# Altium PCB Copy of ECU rev B pcb.PcbDoc (part 2 of 5) (continued)
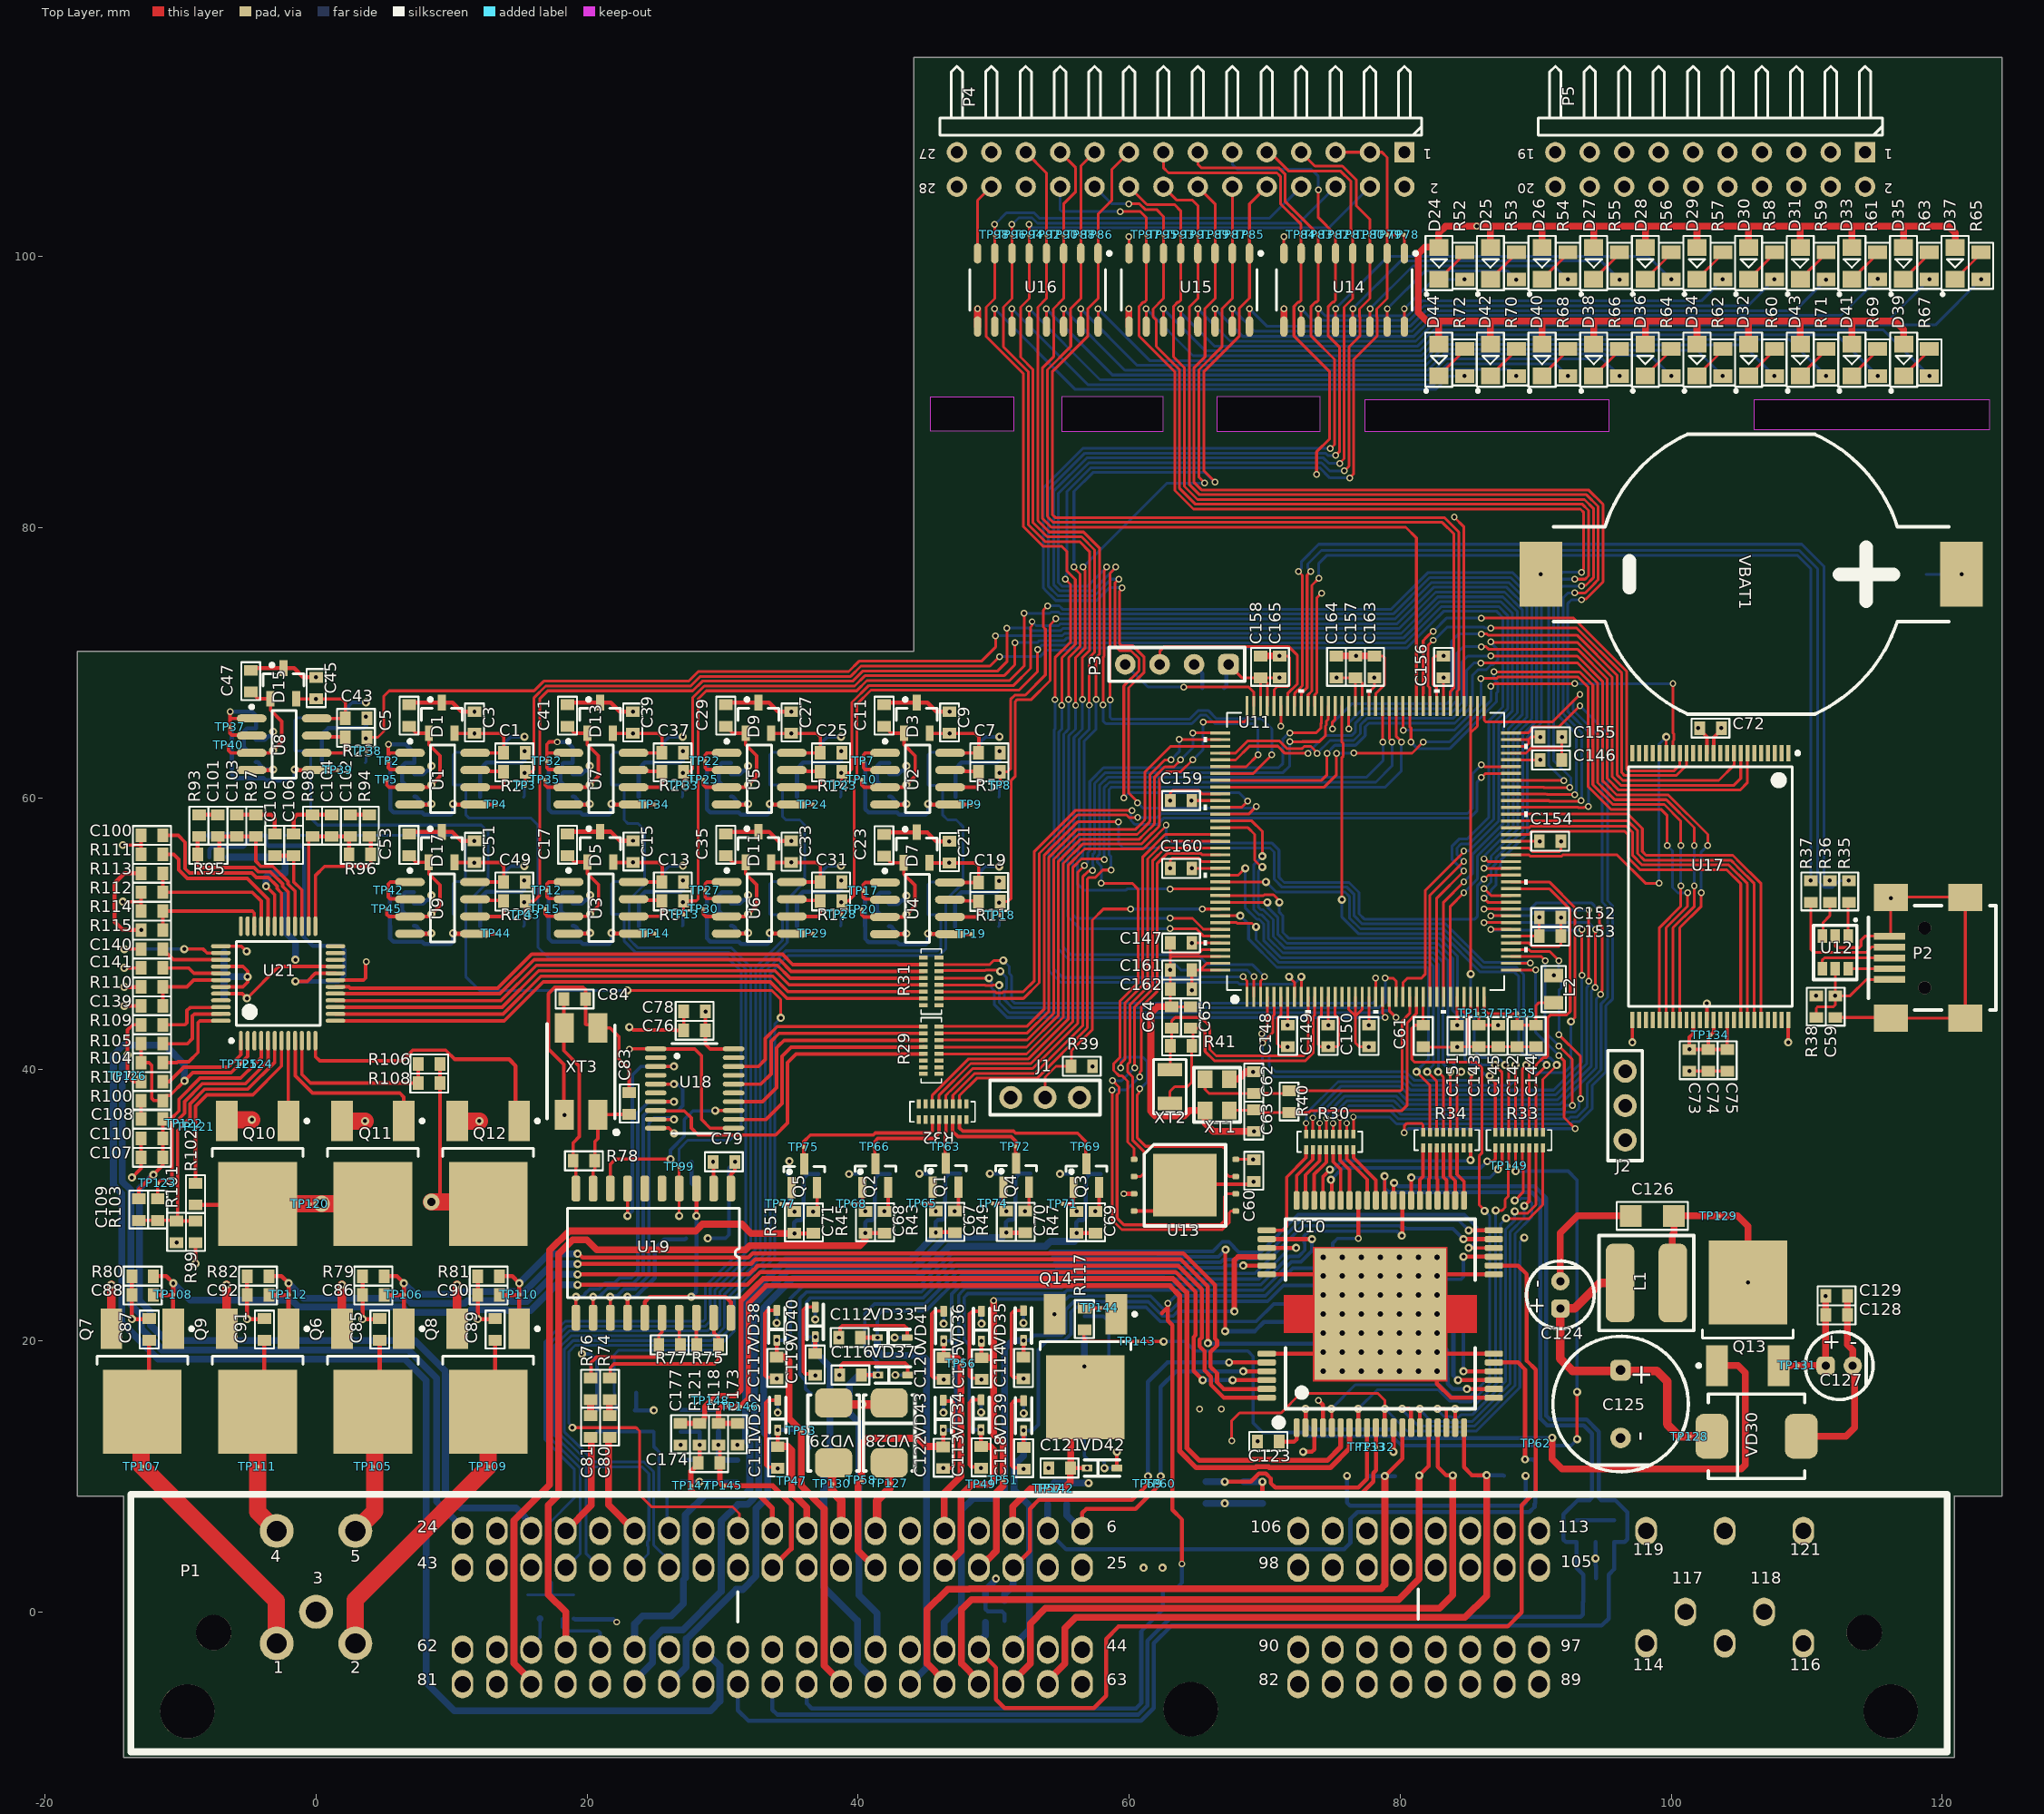
[diagram p0: Top Layer view]
## Footprints (in the part's own frame and the unit in brackets; to place one, negate y for a bottom-side part, rotate by r counter-clockwise, add the part's x,y. Pads: shape width x height; smd on the part's side, far side on the other; paste and mask are expansions set on the pad) (continued)
  silkscreen extent -471,-471 471,471, body extent -437,-437 437,437, height 63
"MINI USB B SMD" [mm]
  rect 0.5x2.3 smd: 1(-1.6,7.85) 2(-0.8,7.85) 3(0,7.85) 4(0.8,7.85) 5(1.6,7.85)
  rect 2x2.5 smd: 6(-4.45,7.75) 6(-4.45,2.25) 6(4.45,7.75) 6(4.45,2.25)
  round 0.95 hole 0.95: 7(-2.2,5.25) 7(2.2,5.25)
  silkscreen extent -3.85,0 3.85,9.4, body extent -4.95,0 4.95,9.2, height 4
SDR0604 [mm]
  rrect50% 2.1x5.8 smd: 1(-1.95,0) 2(1.95,0)
  silkscreen extent -3.5,-3.5 3.5,3.5, body extent -2.9,-2.9 2.9,2.9, height 4.8
"SMD 0603" [mm]
  rect 0.8x1 smd: 1(0,0) 2(1.6,0)
  silkscreen extent -0.6,-0.7 2.2,0.7, body extent -0.03,-0.45 1.63,0.45, height 0.46
"SMD 0805" [mm]
  rect 1x1.4 smd: 1(0,0) 2(2,0)
  silkscreen extent -0.7,-0.9 2.7,0.9, body extent -0.03,-0.65 2.02,0.65, height 0.41
"SMD 1206" [mm]
  rect 1.6x1.6 smd: 1(0,0) 2(3.2,0)
  silkscreen extent -1.02,-1.02 4.23,1.02, body extent -0.03,-0.79 3.4,0.8, height 0.5
SO8_N [mm] "SOIC, 8-Leads, Body 4.9x3.9mm, Pitch 1.27mm, IPC Medium Density"
  oval 2.2x0.6 smd: 1(-2.4,1.905) 2(-2.4,0.635) 3(-2.4,-0.635) 4(-2.4,-1.905) 5(2.4,-1.905) 6(2.4,-0.635) 7(2.4,0.635) 8(2.4,1.905)
  silkscreen extent -2.52,-2.5 0.9,2.88, body extent -1.95,-2.45 1.95,2.45, height 1.75
SOD123 [mm]
  rrect50% 0.91x1.22 smd: 0(-1.6,0) 1(1.6,0)
  silkscreen extent -2.41,-0.89 2.41,0.89, body extent -1.84,-0.8 1.84,0.8, height 1.17
SOD323 [mm] "JEDEC SOD-323"
  rrect25% 0.8x0.5 smd: 1(-1.1,0) 2(1.1,0)
  silkscreen extent -1.3,-0.6 1.3,0.6, body extent -1.3,-0.67 1.3,0.68, height 1.1
SOIC20 [mm]
  rrect50% 1.9x0.63 smd: 1(0,0) 2(0,-1.27) 3(0,-2.54) 4(0,-3.81) 5(0,-5.08) 6(0,-6.35) 7(0,-7.62) 8(0,-8.89) 9(0,-10.16) 10(0,-11.43) 11(9.53,-11.43) 12(9.53,-10.16) 13(9.53,-8.89) 14(9.53,-7.62) 15(9.53,-6.35) 16(9.53,-5.08) 17(9.53,-3.81) 18(9.53,-2.54) 19(9.53,-1.27) 20(9.53,0)
  silkscreen extent 1.47,-12.06 8.06,0.64, body extent -0.61,-12.2 10.02,0.8, height 2.66
SOIC127P600X175_HS-17M [mm] "SOIC, 16-Leads, Body 9,90x3,90mm, Pitch 1,27mm, Thermal Pad 9,00.2x1,80.2mm, IPC Low Density"
  oval 1.5x0.55 smd: 1(-2.7,4.445) 2(-2.7,3.175) 3(-2.7,1.905) 4(-2.7,0.635) 5(-2.7,-0.635) 6(-2.7,-1.905) 7(-2.7,-3.175) 8(-2.7,-4.445) 9(2.7,-4.445) 10(2.7,-3.175) 11(2.7,-1.905) 12(2.7,-0.635) 13(2.7,0.635) 14(2.7,1.905) 15(2.7,3.175) 16(2.7,4.445)
  silkscreen extent -2.82,-5 1.5,5.4, body extent -2,-5 2,5, height 1.75
SOT23 [mm] "SOT23, 3-Leads, Body 2,90x2,30mm, Pitch 0,95mm, IPC Medium Density"
  rect 1.55x0.6 smd: 1(-0.875,0.95) 2(-0.875,-0.95) 3(0.875,0)
  silkscreen extent 0.18,-1.5 0.7,1.5, body extent -1.4,-1.45 1.4,1.45, height 1.3
SOT23-6 [mm]
  rect 0.7x1 smd: 1(0.95,1.2) 2(0,1.2) 3(-0.95,1.2) 4(-0.95,-1.2) 5(0,-1.2) 6(0.95,-1.2)
  silkscreen extent -1.6,-2 1.6,2.49, body extent -1.5,-1.5 1.5,1.5, height 1.1
SOT23_N [mm] "SOT23, 3-Leads, Body 2.9x1.3mm, Pitch 0.95mm, Lead Span 2.3mm - Reverse Pinning, IPC Medium Density"
  rect 1.15x0.6 smd: 1(1.125,0) 2(-1.125,-0.95) 3(-1.125,0.95)
  silkscreen extent -0.2,-1.5 1.47,1.5, body extent -0.7,-1.5 0.7,1.5, height 1.1
TESTPOINT [mm] "testpoint"
  round 0.3 smd paste+0 mask+0: 0(0,0)
TSSOP20 [mm] "TSsOP, 20-Leads, Body 6,50x4,40mm, Pitch 0,65mm,  IPC Medium Density"
  oval 1.6x0.35 smd: 1(-2.875,2.925) 2(-2.875,2.275) 3(-2.875,1.625) 4(-2.875,0.975) 5(-2.875,0.325) 6(-2.875,-0.325) 7(-2.875,-0.975) 8(-2.875,-1.625) 9(-2.875,-2.275) 10(-2.875,-2.925) 11(2.875,-2.925) 12(2.875,-2.275) 13(2.875,-1.625) 14(2.875,-0.975) 15(2.875,-0.325) 16(2.875,0.325) 17(2.875,0.975) 18(2.875,1.625) 19(2.875,2.275) 20(2.875,2.925)
  silkscreen extent -1.68,-3.3 1.68,3.3, body extent -3.3,-3.3 3.3,3.3, height 1.2
TSSOP50P2000X120-48N [mm] "TSSOP, 48-Leads, Body 12,00x18,40mm, Pitch 0,50mm, IPC Medium Density"
  rect 1.2x0.3 smd: 1(-9.85,5.75) 2(-9.85,5.25) 3(-9.85,4.75) 4(-9.85,4.25) 5(-9.85,3.75) 6(-9.85,3.25) 7(-9.85,2.75) 8(-9.85,2.25) 9(-9.85,1.75) 10(-9.85,1.25) 11(-9.85,0.75) 12(-9.85,0.25) 13(-9.85,-0.25) 14(-9.85,-0.75) 15(-9.85,-1.25) 16(-9.85,-1.75) 17(-9.85,-2.25) 18(-9.85,-2.75) 19(-9.85,-3.25) 20(-9.85,-3.75) 21(-9.85,-4.25) 22(-9.85,-4.75) 23(-9.85,-5.25) 24(-9.85,-5.75) 25(9.85,-5.75) 26(9.85,-5.25) 27(9.85,-4.75) 28(9.85,-4.25) 29(9.85,-3.75) 30(9.85,-3.25) 31(9.85,-2.75) 32(9.85,-2.25) 33(9.85,-1.75) 34(9.85,-1.25) 35(9.85,-0.75) 36(9.85,-0.25) 37(9.85,0.25) 38(9.85,0.75) 39(9.85,1.25) 40(9.85,1.75) 41(9.85,2.25) 42(9.85,2.75) 43(9.85,3.25) 44(9.85,3.75) 45(9.85,4.25) 46(9.85,4.75) 47(9.85,5.25) 48(9.85,5.75)
  silkscreen extent -9.97,-6.05 8.85,6.58, body extent -10.1,-6.05 10.1,6.05, height 1.2
"WSON 8L" [mm] "8x6x0.8mm pitch 1.27mm"
  rrect50% 0.5x0.4 smd: 1(-3.75,1.905) 2(-3.75,0.635) 3(-3.75,-0.635) 4(-3.75,-1.905) 5(3.75,-1.905) 6(3.75,-0.635) 7(3.75,0.635) 8(3.75,1.905)
  rect 4.7x4.6 smd: 9(0,0)
  silkscreen extent -3,-3 3,3, body extent -4,-3 4,3, height 0.81
YC164 [mm]
  rect 0.61x0.9 smd: 1(-1.24,-0.885) 4(1.24,-0.885) 5(1.24,0.885) 8(-1.24,0.885)
  rect 0.53x0.9 smd: 2(-0.4,-0.885) 3(0.4,-0.885) 6(0.4,0.885) 7(-0.4,0.885)
  silkscreen extent -2.03,-1.02 2.03,1.02, body extent -1.6,-0.8 1.6,0.8, height 0.55
YC248 [mm] "ARRAY CHIP RESISTORS"
  rect 0.3x0.65 smd paste+0 mask+0.08: 1(-1.75,-0.575) 2(-1.25,-0.575) 3(-0.75,-0.575) 4(-0.25,-0.575) 5(0.25,-0.575) 6(0.75,-0.575) 7(1.25,-0.575) 8(1.75,-0.575) 9(1.75,0.575) 10(1.25,0.575) 11(0.75,0.575) 12(0.25,0.575) 13(-0.25,0.575) 14(-0.75,0.575) 15(-1.25,0.575) 16(-1.75,0.575)
  silkscreen extent -2.4,-0.75 2.4,0.75, body extent -2,-0.8 2,0.8, height 0.45

## Part data
C1 C3 C7 C9 C13 C15 C19 C21 C25 C27 C31 C33 C37 C39 C43 C45 C49 C51 C72 C73 C74 C75 C76 C77 C123 C128 C135 C136 C137 C138 C144 C145 C148 C149 C150 C151 C152 C153 C154 C155 C156 C157 C158 C159 C160 C161 C163 C164 C170: library part Capasitor, "CC0603KRX7R9BB104"
C2 C4 C5 C6 C8 C10 C11 C12 C14 C16 C17 C18 C20 C22 C23 C24 C26 C28 C29 C30 C32 C34 C35 C36 C38 C40 C41 C42 C44 C46 C47 C48 C50 C52 C53 C54 C55 C56 C57 C58 C67 C68 C69 C70 C71 C85 C87 C89 C91 C94 C97 C99 C110 C111 C112 C113 C114 C115 C116 C117 C118 C119 C120 C121 C122 C166 C167 C168 C169: library part Capasitor, "CC0603KRX7R9BB102"
C59 C60 C61 C62 C63 C64 C65 C66 C101 C102 C103 C104 C105 C106: library part Capasitor
C78 C108 C109 C129 C132 C133 C134 C141 C142 C143: library part Capasitor, "CL10A105KB8NNNC"
C79 C100 C162 C165: library part Capasitor, "CC0603KRX5R6BB475"
C80 C81: library part Capasitor, "CC0603KRX7R9BB332"
C82: library part Capasitor, "CC0603KRX7R9BB223"
C83 C84: library part Capasitor, "CC0603JRNPO9BN220"
C86 C88 C90 C92: library part Capasitor, "CC0603KRX7R9BB152"
C93 C171 C175: library part Capasitor, "CC0603KRX7R9BB472"
C95 C139: library part Capasitor, "CC0603KRX7R0BB103"
C96 C98: library part Capasitor, "CC0603JRX7R7BB333"
C107: library part Capasitor, "CC0603KRX7R9BB222"
C124 C127: library part "Capasitor polar", "SH100M0010BZF-0611"
C125: library part "Capasitor polar", "SK100M0100B5S-1019"
C126: library part Capasitor, "GRM31CR72A225KA73L"
C130 C131: library part Capasitor, "CC0603JRX7R9BB103"
C140: library part Capasitor, "CC0603KRX7R7BB474"
C146 C147: library part Capasitor, "CC0603KRX5R6BB225"
C172 C176: library part Capasitor, "CC0603KRX7R9BB101"
C173 C174 C177: library part Capasitor, "CC0603KRX7R9BB471"
D1 D3 D5 D7 D9 D11 D13 D15 D17: "Schottky Barrier Double Diode", ComponentLink1Description="Manufacturer Link", ComponentLink1URL=http://www.semiconductors.philips.com/, ComponentLink2Description=Datasheet, ComponentLink2URL=http://www.semiconductors.philips.com/acrobat/datasheets/BAS70_SERIES_6.pdf, DatasheetVersion=11-Oct-2001, LatestRevisionDate=12-Dec-2006, LatestRevisionNote="IPC-7351 Footprint Added.", PackageDescription="3-Pin SOT-23 Package 0.95 mm Pitch, 2.3 mm Lead Span", PackageReference=SOT23, PackageVersion=May-1999, Published=17-Sep-2003, Publisher="Altium Limited"
D2 D4 D6 D8 D10 D12 D14 D16 D18: library part Zener, "MMSZ2V7T1G"
D19 D20 D21 D22 D23: library part Zener, "BZX384-C4V7.115"
D24 D25 D26 D27 D28 D29 D30 D31 D32 D33 D34 D35 D36 D37 D38 D39 D40 D41 D42 D43 D44: "LTST-C171GKT"
L1: library part Inductor, "SDR0604-3R3ML"
L2: library part Inductor, "BK2125HM601-T"
P1: library part 1241434-1
P3: library part JTAG-STM-SW
P4: "Header, 14-Pin, Dual row, Right Angle", LatestRevisionDate=17-Jul-2002, LatestRevisionNote="Re-released for DXP Platform.", Publisher="Altium Limited"
P5: "Header, 10-Pin, Dual row, Right Angle", LatestRevisionDate=17-Jul-2002, LatestRevisionNote="Re-released for DXP Platform.", Publisher="Altium Limited"
Q1 Q2 Q3 Q4 Q5: library part PDTC143ZT, "NPN", R1=4.7K, R2=47K
Q6 Q7 Q8 Q9: "IGBT Automotive-grade 390 V internally clamped  ESCIS 180 mJ", ComponentLink1Description=Datasheet, ComponentLink1URL=https://my.st.com/resource/en/datasheet/stgd18n40lz.pdf
Q10 Q11 Q12 Q13 Q14: "HEXFET Power MOSFET", ComponentLink1Description=datasheet, ComponentLink1URL=https://data.electronshik.ru/z/Datasheet/I/IRFR1018EPBF.pdf
R1 R4 R7 R10 R13 R16 R19 R22 R25 R38 R39 R43 R45 R47 R49 R51 R73 R100 R102 R116: library part Resistor, "RC0603FR-0710KL"
R2 R5 R8 R11 R14 R17 R20 R23 R26: library part Resistor, "RC0603FR-07100RL"
R3 R6 R9 R12 R15 R18 R21 R24 R27 R28: library part YC164, "YC164-JR-0747KL"
R29 R30 R31 R32 R33 R34: library part YC248, "YC248-JR-0733RL"
R35 R36 R37: library part Resistor, "RC0603FR-0727RL"
R40 R41 R78: library part Resistor, "RC0603FR-071ML"
R52 R53 R54 R55 R56 R57 R58 R59 R60 R61 R62 R63 R64 R65 R66 R67 R68 R69 R70 R71 R72: library part Resistor, "RC0805FR-071KL"
R74 R75 R76 R77 R119 R120: library part Resistor, "RT0603BRD0733KL"
R79 R80 R81 R82: library part Resistor, "RC0603FR-074K7L"
R83 R84: library part Resistor, "RC0603FR-0760R4L"
R85: library part Resistor, "RT0603BRD07100KL"
R86: library part Resistor, "RC0603FR-077K5L"
R87 R90: library part Resistor, "RC0603FR-07511KL"
R88 R91: library part Resistor, "RT0603BRD0710KL"
R89 R92: library part Resistor, "RC0603FR-0751KL"
R93 R94 R95 R96 R97 R98 R104 R105 R107 R109 R112 R113 R114 R115: library part Resistor
R99: library part Resistor, "RC0603FR-0711KL"
R101: library part Resistor, "RC0603FR-0745K3L"
R103: library part Resistor, "RC0603FR-07442RL"
R106 R108: library part Resistor, "RC0603FR-074K02L"
R110 R117: library part Resistor, "RC0603FR-071KL"
R111: library part Resistor, "RC0603FR-0712K1L"
R118 R121: library part Resistor, "RT0603FRE0710KL"
TP1 TP2 TP3 TP4 TP5 TP6 TP7 TP8 TP9 TP10 TP11 TP12 TP13 TP14 TP15 TP16 TP17 TP18 TP19 TP20 TP21 TP22 TP23 TP24 TP25 TP26 TP27 TP28 TP29 TP30 TP31 TP32 TP33 TP34 TP35 TP36 TP37 TP38 TP39 TP40 TP41 TP42 TP43 TP44 TP45 TP46 TP47 TP48 TP49 TP50 TP51 TP52 TP53 TP54 TP55 TP56 TP57 TP58 TP59 TP60 TP61 TP62 TP63 TP64 TP65 TP66 TP67 TP68 TP69 TP70 TP71 TP72 TP73 TP74 TP75 TP76 TP77 TP78 TP79 TP80 TP81 TP82 TP83 TP84 TP85 TP86 TP87 TP88 TP89 TP90 TP91 TP92 TP93 TP94 TP95 TP96 TP97 TP98 TP99 TP100 TP101 TP102 TP103 TP104 TP105 TP106 TP107 TP108 TP109 TP110 TP111 TP112 TP113 TP114 TP115 TP116 TP117 TP118 TP119 TP120 TP121 TP122 TP123 TP124 TP125 TP126 TP127 TP128 TP129 TP130 TP131 TP132 TP133 TP134 TP135 TP136 TP137 TP138 TP139 TP140 TP141 TP142 TP143 TP144 TP145 TP146 TP147 TP148 TP149: "testPoint"
U1 U2 U3 U4 U5 U6 U7 U8 U9: "Rail-to-Rail CMOS Dual Operational Amplifier", Code_IPC=SOIC127P600-8, Code_JEDEC=MS-012-AA, ComponentLink1Description="Manufacturer Link", ComponentLink1URL=http://www.st.com/, ComponentLink2Description=Datasheet, ComponentLink2URL=http://www.st.com/stonline/products/literature/ds/2325/ts912.pdf, DatasheetVersion=Apr-1999, LatestRevisionDate=13-Apr-2006, LatestRevisionNote="IPC-7351 Footprint Added.", PackageDescription="8-Pin Small Outline Integrated Circuit 1.27 mm Pitch", PackageReference=SO8, PackageVersion=Dec-2002, Published=24-Aug-2001, Publisher="Altium Limited"
U10: "Multifunction IC for engine management system"
U11: "No Description Available", Built_By=EMA_UL_Team, Copyright="Copyright (C) 2018 Accelerated Designs. All rights reserved", Manufacturer_Part_Number=STM32H745ZGT6, RefDes=RefDes, SourceLibrary=Updates_to_database_2020-10-19, Type=DEV, Vendor=STMicroelectronics
U13: "MX25L25635FZ2I-10G"
U14 U15 U16: library part ULN2003AIDR
U17: "1G/2G/4G-bit NAND Flash Memory  (ECC-Free)", ComponentLink1Description=Datasheet, ComponentLink1URL=https://www.mxic.com.tw/Lists/Datasheet/Attachments/6854/MX30LF4GE8AB,%203V,%204Gb,%20v1.3.pdf
U18: "8-bit dual supply 1.71 to 5.5 V level translator with I/O VCC ± 15 KV / ESD protection"
U19: "Engine Knock Signal Processor"
U20: library part ESDCANxx-2BLY
U21: "Wide range air fuel sensor control interface"
VBAT1: "Battery Holders, Battery Compatibility CR2032, Board-to-Board, 2 Position, Horizontal PCB Mount Orientation"
VD1 VD2 VD3 VD4 VD5 VD6 VD7 VD8 VD9 VD11 VD12 VD13 VD14 VD15 VD16 VD17 VD18 VD19 VD20 VD21 VD22 VD23 VD24 VD25 VD26 VD27: "PMEG2020EJ.115"
VD10: "STTH2R02A"
VD28: "STTH4R02U"
VD29 VD31: "STTH4R02U 200 V, 4 A High Effiency Ultrafast Diode", ComponentLink1Description=Datashit, ComponentLink1URL=https://www.st.com/resource/en/datasheet/stth4r02.pdf
VD30: "5.0SMDJ30CA"
VD32 VD33 VD34 VD35 VD36 VD37 VD38 VD39 VD40 VD41 VD42 VD43: "CDSOD323-T18LC"
XT1 XT2: library part xtall
XT3: library part xtall, "KX-13 6.0 MHz / Geyer"

## Via types
v1: diameter 0.6, hole 0.3, Top Layer to Bottom Layer, tented both sides, 321 vias
v2: diameter 0.5, hole 0.3, Top Layer to Bottom Layer, tented both sides, 275 vias
v3: diameter 0.6, hole 0.4, Top Layer to Bottom Layer, 49 vias
v4: diameter 0.45, hole 0.3, Top Layer to Bottom Layer, tented both sides, 8 vias
v5: diameter 1.2, hole 0.6, Top Layer to Bottom Layer, tented both sides, 2 vias
v6: diameter 0.6, hole 0.3, Top Layer to Bottom Layer, 1 vias

## Nets (pads, with @x,y where several pads share a name; then routed paths per layer and width w, separated by ;. In a path a pad name is that pad's centre, name@x,y a point inside that pad or via, vN(x,y) a via of type N, cw(c..) or ccw(c..) an arc to the next point about the centre after c; other vN are vias at no path point)
3V3: C60.1 C66.2 C72.2 C73.2 C74.2 C75.2 C77.1 C134.2 C135.2 C148.2 C149.2 C150.2 C151.2 C152.2 C153.2 C154.2 C155.2 C156.2 C157.2 C158.2 C159.2 C160.2 C161.2 C162.2 C164.2 C165.2 J1.3 J2.1 L2.2 P3.1 P4.1 P4.2 P5.17 P5.18 TP134.0 U10.4 U11.7 U11.13 U11.19 U11.32 U11.42 U11.56 U11.70 U11.71 U11.79 U11.91 U11.92 U11.105 U11.106 U11.119 U11.129 U11.143 U11.144 U13.3 U13.8 U17.12 U17.34 U17.37 U17.39 U18.1 U18.11 U21.19 | length 322.2
  Top Layer w0.203: C162.2@64.63,45.946 C161.2@64.63,47.346 65.23,47.346 ; v2(64.63,54.846) U11.129@66.73,54.846 ; C159.2@64.63,59.846 U11.119@66.73,59.846 ; U11.144@66.73,47.346 65.23,47.346 ; U11.143@66.73,47.846 65.73,47.846 65.23,47.346 ; P3.1@67.333,69.896 68.315,68.914 C158.2@69.699,68.914 69.699,66.847 69.7,66.846 69.699,66.845 U11.106@69.699,66.814 ; U13.8@67.864,33.377 69.164,33.377 C60.1@69.195,33.345 ; U11.105@70.199,66.814 70.199,68.514 69.799,68.914 v2(71.099,68.914) ; v2(71.699,43.277) U11.7@71.699,45.377 ; U10.4@74.309,13.589 74.309,13.919 U10.4@74.341,13.951 ; v2(74.699,43.277) U11.13@74.699,45.377 ; v2(75.299,68.914) C157.2@76.699,68.914 ; U11.92@76.699,66.814 76.699,66.845 76.7,66.846 76.699,66.847 C157.2@76.699,68.914 ; U11.91@77.199,66.814 77.199,68.514 76.799,68.914 C157.2@76.699,68.914 ; v2(77.699,43.277) U11.19@77.699,45.377 ; U11.79@83.199,66.814 v2(83.199,68.914) ; v2(84.199,43.277) U11.32@84.199,45.377 ; U11.42@88.168,49.846 C153.2@90.268,49.846 C152.2@90.268,51.214 ; U11.56@88.168,56.846 C154.2@90.268,56.846 ; U11.70@88.168,63.846 89.268,63.846 89.468,64.046 89.468,64.346 ; U11.71@88.168,64.346 89.468,64.346 ; v2(90.33,64.546) 89.668,64.546 89.468,64.346
  Top Layer w0.254: U21.19@1.431,46.605 3.506,46.605 3.655,46.754 v2@3.655,47.956 ; v2@23.114,41.529 23.118,41.533 U18.1@25.065,41.533 25.069,41.529 27.94,41.529 28.448,41.021 28.448,36.322 29.087,35.683 U18.11@30.815,35.683 ; U17.34@101.631,43.652 101.631,42.679 101.337,42.385 v1(101.337,41.492) C74.2@102.734,41.492 ; U17.37@103.131,43.652 103.131,42.782 102.734,42.385 C74.2@102.734,41.492 ; U17.12@103.131,63.352 103.131,63.651 103.115,63.667 103.131,63.683 103.131,64.523 C72.2@103.699,65.091 ; U17.39@104.131,43.652 C75.2@104.131,41.492 C74.2@102.734,41.492
  Top Layer w0.305: v2(59.61,30.842) 60.117,30.842 60.123,30.837 U13.3@60.364,30.837 ; v2(73.96,15.602) 74.309,15.254 74.309,13.984 U10.4@74.341,13.951
  Power w0.305: 59.355,33.382 59.61,33.128 v2(59.61,30.842)
  Power w0.508: v2(90.268,51.246) 90.3,51.278 v2(90.3,56.846) 90.3,59.581 91.43,60.711 91.43,63.446 ; J2.1@96.6,39.88 96.424,40.056 96.424,42.921 93.7,45.646 92.63,45.646 v2(91.33,46.946) 90.528,46.946 88.694,45.111 86.033,45.111 v2(84.199,43.277) 81.457,43.277 81.37,43.189 77.787,43.189 v2(77.699,43.277) v2(74.699,43.277) v2(71.699,43.277) 70.097,43.277 67.528,45.846 v2(64.63,45.846) 63.924,46.552 63.924,54.139 v2(64.63,54.846) 64.63,59.815 v2(64.6,59.846) 65.4,60.646 65.4,62.246 66.2,63.046 66.2,68.763 P3.1@67.333,69.896 70.117,69.896 v2(71.099,68.914) v2(75.299,68.914) 76.331,68.914 77.1,68.146 82.43,68.146 v2(83.199,68.914) 87.568,64.546 v2(90.33,64.546) 91.43,63.446 ; J2.1@96.866,40.146 98.212,41.492 v1(101.337,41.492) ; v2(103.699,65.191) 101.954,63.446 91.43,63.446
  Power w0.635: v2(3.697,47.955) 3.697,43.448 5.634,41.51 v2(23.114,41.51) 64.258,41.51 64.63,41.882 v2(64.63,45.846) ; 56.307,41.51 56.34,41.478 56.34,36.398 59.355,33.382 v2(69.134,33.382) 69.261,33.382 70.658,31.985 70.658,26.7 69.134,25.176 69.134,20.809 68.245,19.92 67.356,19.92 66.467,19.031 66.467,17.164 66.797,16.834 v2(66.797,14.967) 67.686,15.856 73.706,15.856 v2(73.96,15.602)
  Bottom Layer w0.305: C66.2@67,68.146 67.166,68.312 67.166,69.73 P3.1@67.333,69.896
5V: C1.2 C3.1 C7.2 C9.1 C13.2 C15.1 C19.2 C21.1 C25.2 C27.1 C31.2 C33.1 C37.2 C39.1 C43.2 C45.1 C49.2 C51.1 C76.1 C78.1 C79.2 C127.1 C128.2 C129.2 C136.2 C137.2 C138.2 D1.2 D3.2 D5.2 D7.2 D9.2 D11.2 D13.2 D15.2 D17.2 P5.9 P5.10 Q13.3 R73.1 R87.1 R90.1 R101.2 R113.2 R115.2 TP131.0 U1.8 U2.8 U3.8 U4.8 U5.8 U6.8 U7.8 U8.8 U9.8 U10.3 U18.20 U19.1 U21.21 U21.37 U21.44 | length 423.4
  Top Layer w0.254: U21.44@-7.019,45.605 -5.444,45.605 v1(-5.095,45.257) -2.747,47.605 U21.21@1.431,47.605 ; U21.37@-7.019,49.105 -5.504,49.105 v1(-5.124,48.725) ; D15.2@-1.453,67.364 -1.435,67.346 v1(0.01,67.346) 1.915,67.346 2.169,67.092 2.169,65.926 C43.2@2.15,65.907 U8.8@0.054,65.907 ; D17.2@10.225,55.29 10.243,55.272 v1(11.688,55.272) 13.593,55.272 13.847,55.018 13.847,53.852 C49.2@13.828,53.833 U9.8@11.732,53.833 ; D1.2@10.231,64.824 10.249,64.806 v1(11.694,64.806) 13.599,64.806 13.853,64.552 13.853,63.386 C1.2@13.834,63.367 U1.8@11.738,63.367 ; D13.2@21.915,64.824 21.933,64.806 v1(23.378,64.806) 25.283,64.806 25.537,64.552 25.537,63.386 C37.2@25.518,63.367 U7.8@23.422,63.367 ; D5.2@21.928,55.302 21.946,55.284 v1(23.391,55.284) 25.296,55.284 25.55,55.03 25.55,53.864 C13.2@25.531,53.845 U3.8@23.435,53.845 ; v1(28.735,44.297) C76.1@28.735,42.899 28.735,41.877 29.083,41.529 30.607,41.529 30.611,41.533 U18.20@30.815,41.533 ; U19.1@30.61,31.23 30.61,31.239 30.607,31.242 30.607,32.258 30.9,32.551 C79.2@30.9,33.2 30.902,33.198 v1(30.937,33.198) ; D11.2@33.599,55.299 33.617,55.281 v1(35.062,55.281) 36.967,55.281 37.221,55.027 37.221,53.861 C31.2@37.202,53.842 U6.8@35.106,53.842 ; D9.2@33.599,64.824 33.617,64.806 v1(35.062,64.806) 36.967,64.806 37.221,64.552 37.221,63.386 C25.2@37.202,63.367 U5.8@35.106,63.367 ; D7.2@45.273,55.263 45.291,55.245 v1(46.736,55.245) 48.641,55.245 48.895,54.991 48.895,53.825 C19.2@48.876,53.806 U4.8@46.78,53.806 ; D3.2@45.283,64.824 45.301,64.806 v1(46.746,64.806) 48.651,64.806 48.905,64.552 48.905,63.386 C7.2@48.886,63.367 U2.8@46.79,63.367
  Top Layer w0.305: v1(-12.903,50.292) -14.236,50.292 -14.863,50.919 -14.863,53.753 -14.133,54.483 R113.2@-12.903,54.483 ; v1(72.832,11.811) 73.481,11.811 73.66,11.99 U10.3@73.659,13.589
  Top Layer w0.508: Q13.3@107.938,18.161 C127.1@111.395,18.161 111.395,21.903 C128.2@111.403,21.91 v1(111.403,23.307)
  Power w0.254: v1(-12.903,50.292) -6.546,50.292 v1@-5.19,48.936 ; v1(-10.287,27.229) -10.287,34.392 ; v1(-5.095,45.257) -6.356,45.257 ; v1(-1.523,48.108) -2.14,48.725 v1(-5.124,48.725) ; v1(0.01,67.346) 1.91,65.446 3.492,65.446 4.131,64.806 5.8,64.806 ; v1(19.62,19.036) 19.62,19.061 19.634,19.075 19.674,19.036 28.756,19.036 28.905,19.185 v1(28.905,27.559) ; v1(28.735,44.297) 28.735,44.311 28.7,44.346 28.735,44.381 28.735,53.766 29.199,54.23 ; v1(30.937,33.198) 29.743,34.392 -10.287,34.392 ; v1(46.736,55.245) 41.361,55.245 39.261,53.145 38.276,53.145 36.14,55.281 v1(35.062,55.281) 34.011,54.23 29.199,54.23 ; v1(46.746,64.806) 41.159,64.806 39.258,62.906 38.339,62.906 36.438,64.806 v1(35.062,64.806) 29.424,64.806 27.461,62.843 26.768,62.843 24.805,64.806 v1(23.378,64.806) 17.689,64.806 15.629,62.746 15.055,62.746 12.994,64.806 v1(11.694,64.806) 5.8,64.806 ; -10.287,34.392 -10.287,42.559 -7.589,45.257 -6.356,45.257 ; -6.356,45.257 -6.356,45.389 -6.3,45.446 -6.3,46.45 -5.124,47.626 v1(-5.124,48.725) ; v1(-5.124,48.725) 1.423,55.272 5.8,55.272 ; 5.8,55.272 5.889,55.36 5.889,64.717 5.8,64.806 ; 5.8,55.272 v1(11.688,55.272) 13.824,53.136 15.697,53.136 16.738,54.176 22.284,54.176 v1(23.391,55.284) 24.523,55.284 26.561,53.246 27.6,53.246 28.585,54.23 29.199,54.23
  Power w0.508: 58.339,-3.829 58.593,-3.575 70.404,-3.575 70.785,-3.194 70.785,7.474 72.832,9.521 ; v1(72.832,11.811) 72.832,9.438 73.425,8.846 111.046,8.846 111.4,9.2 111.4,14.155 111.395,14.16 C127.1@111.395,18.161
  Bottom Layer w0.254: v1(19.62,19.036) 20.22,19.036 20.735,18.521 R87.1@20.735,14.862 ; v1(28.905,27.559) 30.226,27.559 30.48,27.813 30.48,32.741 v1(30.937,33.198)
  Bottom Layer w0.508: R90.1@-2.286,52.883 -2.286,50.166 -1.524,49.404 v1(-1.523,48.108)
5V1: C131.2 C133.2 P1.33 P5.13 P5.14 TP133.0 U10.9 | length 59.3
  Top Layer w0.305: v1(67.056,9.602) 68.979,9.602 69.584,10.206 70.085,10.206 70.439,9.852 70.439,9.507 70.782,9.163 76.918,9.163 77.559,9.805 TP133.0@77.559,12.154 U10.9@77.559,13.589
  Power w0.508: P1.33@36.21,3.26 36.17,3.22 36.17,1.187 36.467,0.889 67.234,0.889 67.762,1.418 67.762,8.895 v1(67.056,9.602)
  Bottom Layer w0.508: C131.2@65.659,9.602 v1(67.056,9.602)
5V2: C130.2 C132.2 P1.32 P1.45 P5.11 P5.12 TP132.0 U10.10 | length 62.6
  Top Layer w0.305: v1(69.834,9.602) 69.834,8.885 70.013,8.706 77.107,8.706 78.016,9.615 78.016,10.245 78.209,10.438 TP132.0@78.209,12.137 U10.10@78.209,13.589
  GND w1.27: P1.32@38.75,3.26 38.75,1.667 39.869,0.548 53.246,0.548 53.99,-0.196 P1.45@53.99,-2.79
  Power w0.508: P1.45@53.99,-2.79 54,-2.78 54,-0.483 54.712,0.229 69.537,0.229 69.834,0.526 v1(69.834,9.602)
  Bottom Layer w0.508: C130.2@68.437,9.602 v1(69.834,9.602)
\CS: R29.13 U18.8 | length 26
  Top Layer w0.254: U18.8@25.065,36.983 25.501,36.983 25.527,36.957 25.535,36.965 25.776,36.965 25.784,36.957 27.178,36.957 27.686,36.449 27.686,35.687 28.194,35.179 33.909,35.179 34.798,36.068 34.798,40.513 35.433,41.148 44.497,41.148 44.506,41.157 44.801,41.157 R29.13@44.824,41.18
\L9CS: R30.9 U10.53 | length 7.8
  Top Layer w0.254: U10.53@70.152,28.146 71.33,28.146 71.62,28.436 71.62,32.066 73.053,33.499 R30.9@73.053,34.096
\LmCS: R31.10 U21.18 | length 44.8
  Top Layer w0.254: U21.18@1.431,46.105 2.413,46.105 2.517,46.001 13.409,46.001 15.922,48.514 34.417,48.514 35.179,47.752 R31.10@44.824,47.752
\RESET: C61.1 U10.5 U11.27 | length 48.7
  Top Layer w0.203: v1(74.93,14.986) 74.959,14.957 U10.5@74.959,13.589 ; U11.27@81.699,45.377 C61.1@81.699,43.277 81.084,43.277 80.864,43.057 80.864,40.746 81.064,40.546 82.053,40.546 ; 82.053,40.546 85.6,40.546 86.02,40.126 86.02,33.836 85.82,33.636 85.82,30.036 86.226,29.63 v1(86.226,29.584)
  Bottom Layer w0.203: v1(74.93,14.986) 76.689,16.745 82.95,16.745 83.799,15.896 84.436,15.896 84.456,15.875 85.139,15.875 86.614,17.35 86.614,29.196 v1(86.226,29.584)
Absorber: C118.2 P1.46 TP54.0 U10.24 VD23.2 VD39.1 | length 66.9
  Top Layer w0.203: P1.46@51.45,-2.79 P1.46@51.45,-2.499
  Top Layer w0.305: C118.2@52.214,12.137 v2(52.214,13.372) ; v1(84.665,17.745) v1(84.665,17.745) U10.24@86.916,17.746
  Bottom Layer w0.254: VD23.2@52.212,13.37 52.87,13.37 53.3,13.8 53.3,19.348 53.946,19.994 55.194,19.994 55.706,20.506 55.706,22.102 56.084,22.479 61.246,22.479 62.309,21.416 63.421,21.416 63.432,21.427 69.382,21.427 70.663,22.708 84.008,22.708 84.665,22.051 v1(84.665,17.745)
  Bottom Layer w0.508: P1.46@51.45,-2.79 51.45,-2.525 52.656,-1.319 52.656,7.844 51.508,8.992 51.508,10.83 TP54.0@52.2,11.522 VD23.2@52.2,13.098 ; VD23.2@52.212,13.37 v2(52.214,13.372)
"Air Temp sensor": C38.2 P1.40 R19.1 TP31.0 VD7.2 | length 85.2
  Bottom Layer w0.203: P1.40@18.5,3.3 19.5,4.3 19.5,10.599 17.247,12.852 17.247,19.787 18.542,21.082 28.728,21.082 29.083,21.437 29.083,23.876 32.08,26.873 32.08,47.549 31.872,47.757 30.632,48.997 23.736,48.997 23.114,49.619 23.114,52.533 24.112,53.531 24.138,53.531 24.257,53.65 24.257,57.658 23.749,58.166 22.987,58.166 22.733,58.42 22.733,60.706 22.443,60.996 R19.1@21.803,60.996 C38.2@21.803,62.393 21.803,63.231 21.981,63.409 TP31.0@22.701,63.409 VD7.2@23.421,63.409
AirT: C40.2 D14.1 R20.2 TP33.0 U11.24 | length 106.1
  Top Layer w0.203: R20.2@27.067,61.919 R20.2@27.118,61.97 ; TP33.0@27.118,60.979 R20.2@27.118,61.97 ; v2(51.563,71.501) 51.563,69.856 50.764,69.057 40.505,69.057 39.75,68.301 28.653,68.301 27.8,67.449 27.8,62.183 27.62,62.003 27.118,62.003 R20.2@27.118,61.97 ; U11.24@80.199,45.377 80.212,45.39 80.212,46.429 80.528,46.746 81.568,46.746 81.843,47.021 81.843,53.206 84.551,55.913 84.551,55.92 84.696,56.065 v2(84.696,56.146)
  Bottom Layer w0.203: D14.1@27.01,60.107 27.061,60.158 v1(27.061,61.885) ; v2(51.563,71.501) 53.028,71.501 53.03,71.503 53.24,71.503 53.39,71.653 55.221,71.653 55.399,71.831 80.222,71.831 82.91,74.52 87.421,74.52 88.29,73.65 88.29,66.467 87.262,65.439 87.262,58.327 85.081,56.146 v2(84.696,56.146)
ALE: U11.82 U17.17 | length 34.4
  Top Layer w0.203: U11.82@81.699,66.814 81.699,67.745 81.7,67.746 81.7,71.65 81.937,71.888 82.389,72.339 v2(82.448,72.339) ; v2(85.979,73.304) 92.798,73.304 96.709,69.393 96.709,62.165 96.828,62.046 100.216,62.046 100.631,62.461 U17.17@100.631,63.352
  Bottom Layer w0.203: v2(82.448,72.339) 83.414,73.304 v2(85.979,73.304)
BOOT0: J1.2 R39.1 U11.135 | length 25.1
  Top Layer w0.203: J1.2@53.8,37.946 53.8,39.446 54.6,40.246 R39.1@55.7,40.246 55.7,40.346 55.9,40.546 55.842,40.546 55.743,40.644 55.743,41.402 57.277,42.936 57.277,51.023 58.1,51.846 v2(60.1,51.846) ; v2(65.4,51.846) U11.135@66.73,51.846
  Bottom Layer w0.203: v2(60.1,51.846) v2(65.4,51.846)
CAN_H: P1.72 R84.2 TP113.0 U10.42 U20.2 | length 118.5
  Top Layer w0.254: v1(78.853,32.146) 78.853,30.359 U10.42@78.859,30.353
  Bottom Layer w0.305: P1.72@33.67,-5.33 33.67,-7.226 34.027,-7.583 60.688,-7.583 61.355,-6.916 61.355,-2.131 63.116,-0.37 TP113.0@65.972,-0.37 93.311,-0.37 93.489,-0.192 U20.2@93.489,0.724 93.529,0.724 93.509,0.744 93.509,2.749 93.009,3.249 R84.2@93.009,5.142 ; v1(78.853,32.146) 78.853,31.233 79.135,30.951 89.702,30.951 90.328,30.325 90.328,14.271 90.853,13.746 93.553,13.746 94.153,13.146 94.153,8.425 93.974,8.246 93.111,8.246 92.053,7.188 92.053,5.321 92.232,5.142 R84.2@93.009,5.142 ; R84.2@93.009,5.145 R84.2@93.009,5.142
CAN_L: P1.73 R83.2 TP114.0 U10.41 U20.1 | length 122.1
  Top Layer w0.254: U10.41@79.509,30.353 79.509,31.602 v1(79.553,31.646)
  Bottom Layer w0.305: P1.73@31.13,-5.33 31.13,-7.258 31.912,-8.04 60.877,-8.04 61.812,-7.105 61.812,-2.32 63.112,-1.02 TP114.0@65.972,-1.02 94.865,-1.02 95.389,-0.496 U20.1@95.389,0.724 95.389,2.745 95.803,3.159 R83.2@95.803,5.145 96.552,5.145 96.753,5.346 96.753,7.346 95.853,8.246 94.832,8.246 94.653,8.425 94.653,13.293 93.742,14.203 91.042,14.203 90.785,14.461 90.785,30.514 89.891,31.408 79.871,31.408 79.633,31.646 v1(79.553,31.646)
CE_lamp: C122.2 P1.31 TP58.0 U10.40 VD27.2 VD43.1 | length 66.4
  Top Layer w0.305: P1.31@40.9,3.6 41.24,3.26 P1.31@41.29,3.26 ; C122.2@46.284,12.176 v2(46.284,13.411) ; v1(80.115,27.755) 80.159,27.799 U10.40@80.159,30.353
  Top Layer w0.508: P1.31@40.9,3.6 40.9,3.605 40,4.505 40,9.457 TP58.0@40.243,9.7 40.243,12.343 40.7,12.8 44.4,12.8 45,12.2 46.26,12.2 C122.2@46.284,12.176
  Bottom Layer w0.254: v2(46.284,13.411) 46.911,13.411 47.2,13.7 47.2,19.825 47.422,20.047 47.422,23.359 47.523,23.46 47.523,23.498 47.925,23.9 55,23.9 55.247,24.147 62.922,24.147 62.928,24.153 67.135,24.153 67.156,24.131 69.718,24.131 71.814,26.228 71.941,26.228 72.517,26.228 72.555,26.266 72.965,26.676 72.965,27.196 72.906,27.255 72.906,27.668 72.906,27.735 72.926,27.755 73.245,28.074 79.774,28.074 80.093,27.755 v1(80.115,27.755)
CLE: U11.81 U17.16 | length 34.2
  Top Layer w0.203: U11.81@82.199,66.814 82.199,68.152 82.056,68.296 82.056,71.293 v2(82.441,71.679) ; v2(86.69,72.568) 93.031,72.568 96.353,69.246 96.353,61.907 96.57,61.69 100.363,61.69 101.131,62.458 U17.16@101.131,63.352
  Bottom Layer w0.203: v2(82.441,71.679) 82.501,71.679 82.952,72.13 83.462,72.64 86.188,72.64 86.26,72.568 v2(86.69,72.568)
Coil1: C85.2 P1.5 Q6.4 TP105.0 | length 14.3
  Top Layer w0.305: Q6.4@4.699,14.986 4.699,19.939 4.709,19.949 C85.2@4.709,20.026
  Top Layer w1.27: P1.5@2.9,5.97 4.332,7.402 Q6.4@4.332,14.619
Coil2: C87.2 P1.1 Q7.4 TP107.0 | length 26.2
  Top Layer w0.305: Q7.4@-12.319,14.986 -12.319,19.939 -12.309,19.949 C87.2@-12.309,20.026 ; Q7.4@-11.049,13.208 Q7.4@-11.039,13.198
  Top Layer w1.27: Q7.4@-12.9,14.667 -12.9,10.787 TP107.0@-12.817,10.704 -2.921,0.808 -2.921,-2.309 P1.1@-2.9,-2.33
Coil3: C89.2 P1.2 Q8.4 TP109.0 | length 26.8
  Top Layer w0.305: Q8.4@13.208,14.986 13.208,19.939 13.218,19.949 C89.2@13.218,20.026 ; Q8.4@14.619,12.968 Q8.4@14.986,13.335
  Top Layer w1.27: P1.2@2.9,-2.33 2.9,0.894 TP109.0@12.71,10.704 12.7,10.714 Q8.4@12.7,14.859